# Altium PCB AMDC_uAMDC_Overlay.PcbDoc (part 6 of 6)
Units mil, origin at the board's own origin, x right, y up, seen from the top; angles counter-clockwise.
Board outline 4335 x 5120 mil, 6 copper layers (Top Layer, Int1 (GND), Int2 (Sign), Int3 (Sign), Int4 (PWR), Bottom Layer), stack 55.468 mil thick; 396 components, 471 nets, 2094 pads, 683 vias.
Unrouted connection lines stored in the file: 618.
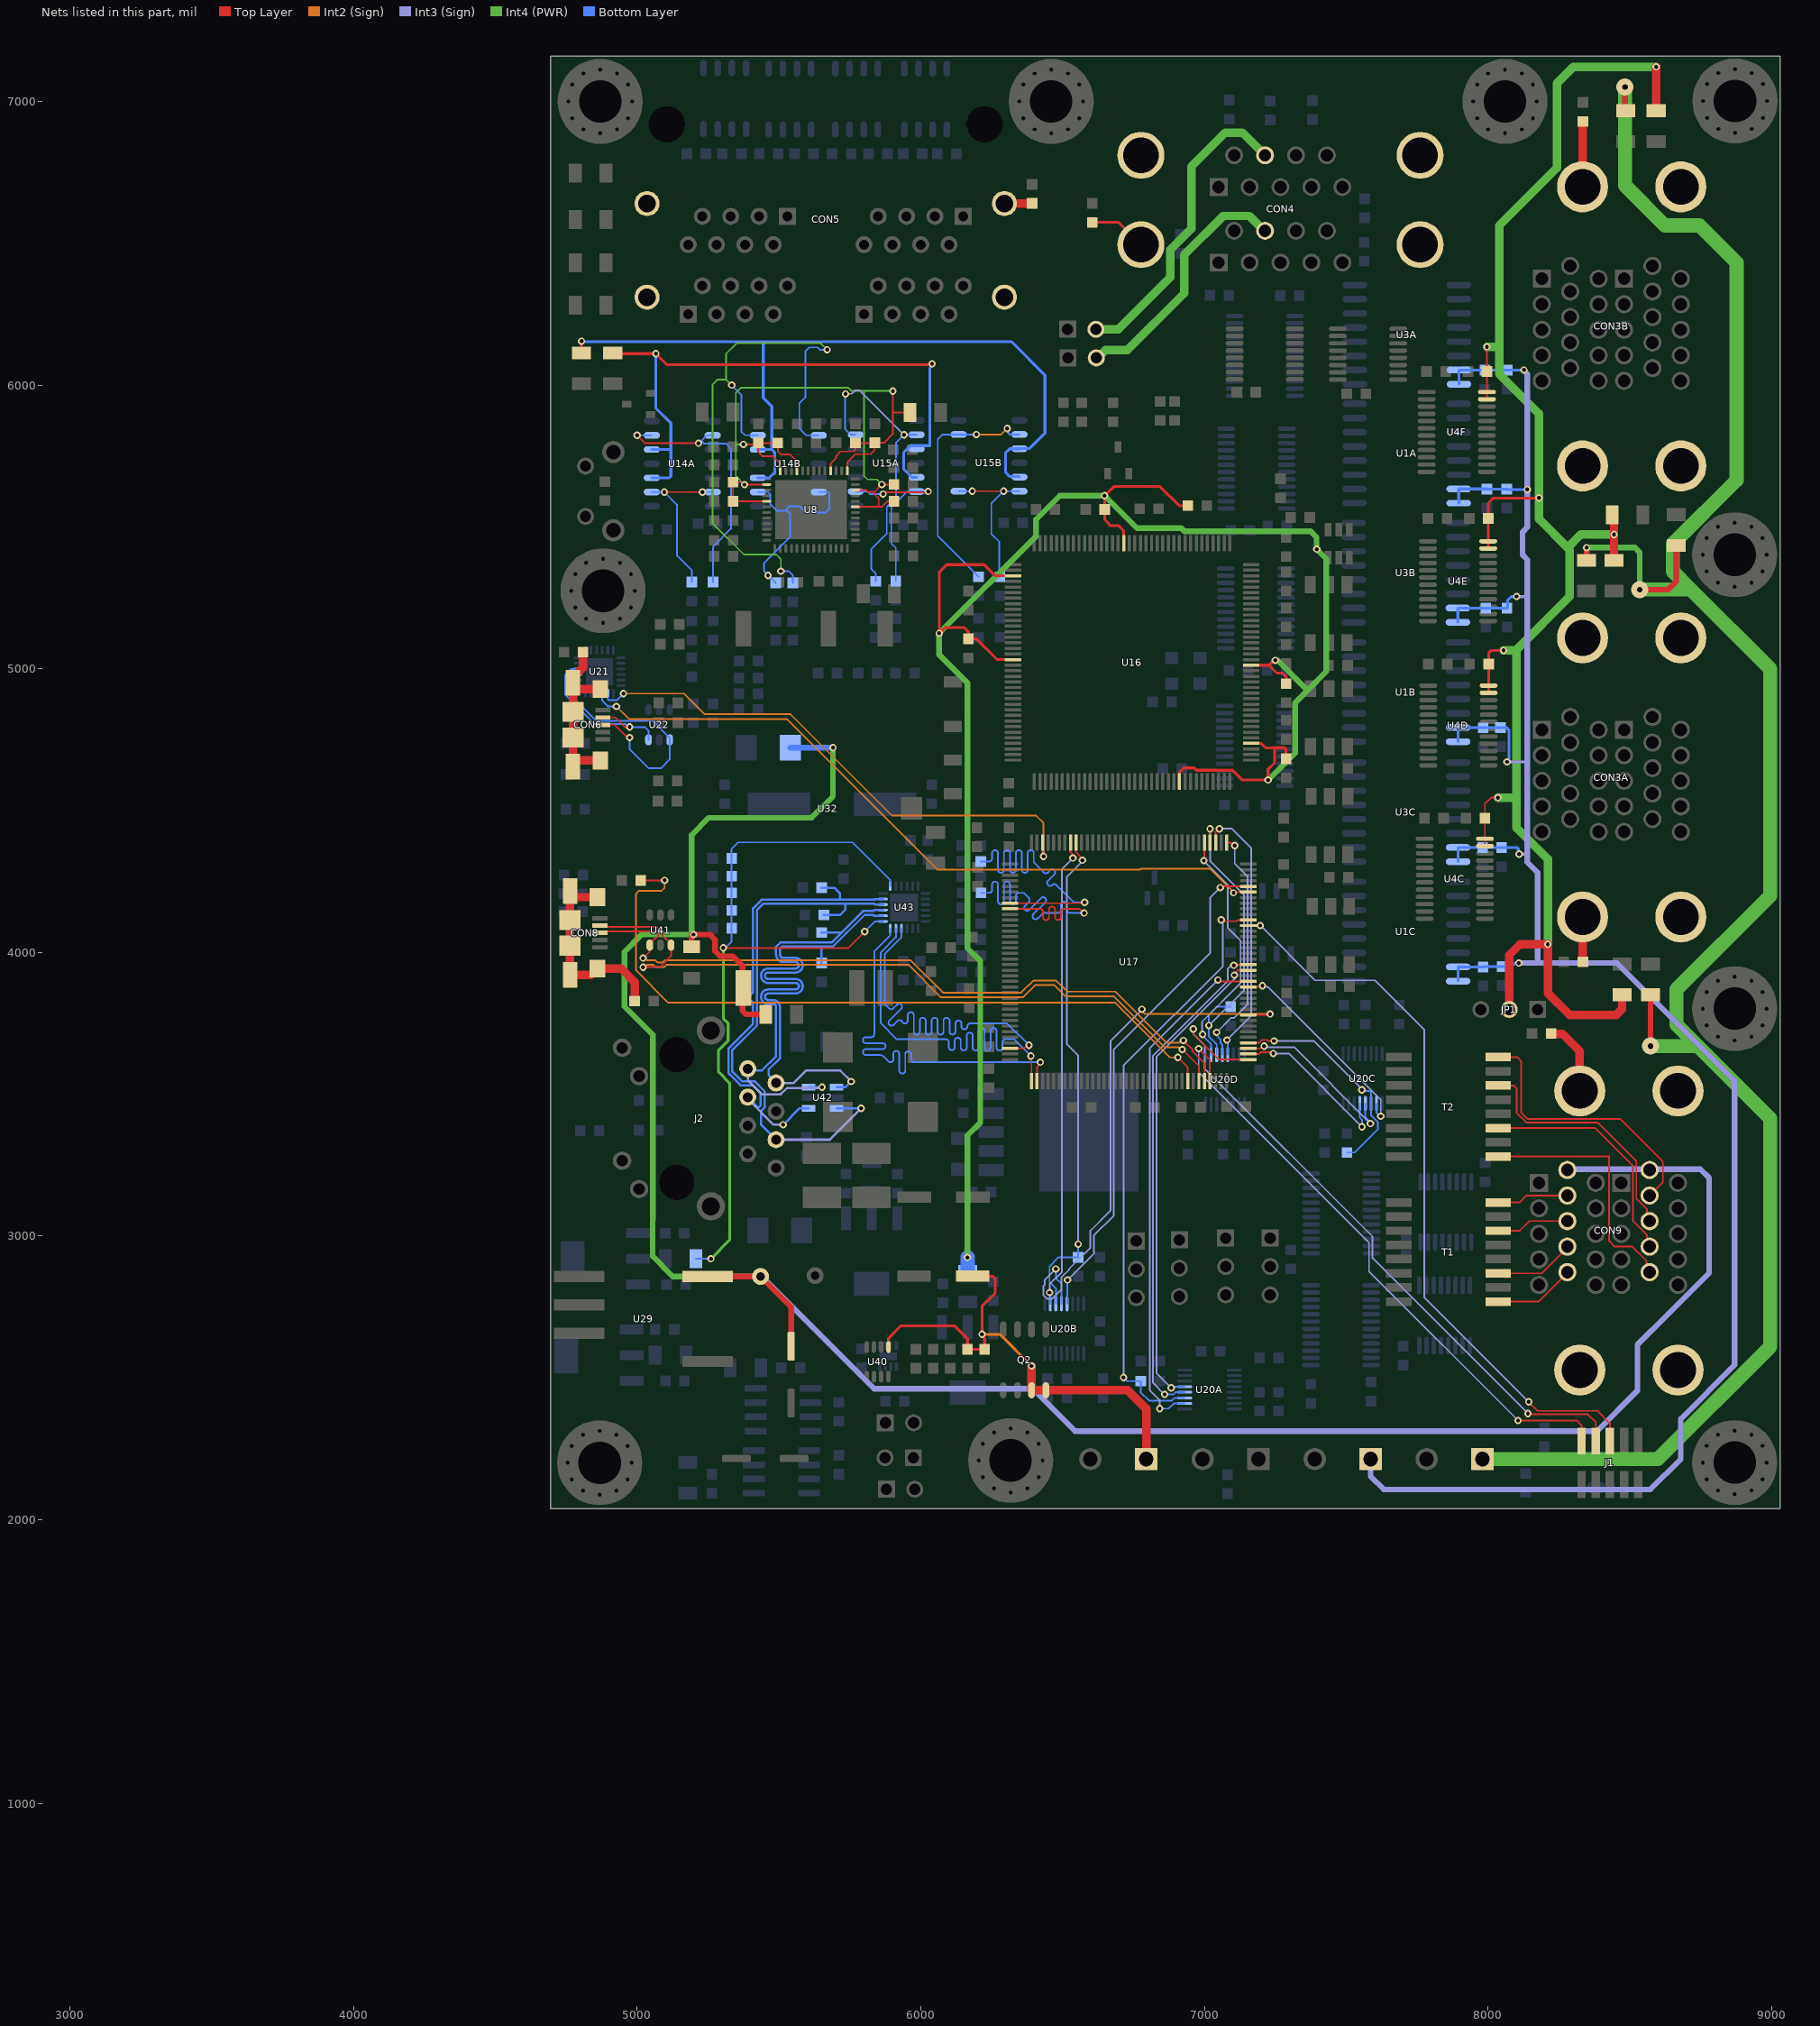
[diagram p9: the nets of this part, all layers, seen from the top]

## Via types
v1: diameter 26, hole 14, Top Layer to Bottom Layer, tented both sides, 326 vias
v2: diameter 26, hole 14, Top Layer to Bottom Layer, 288 vias
v3: diameter 24, hole 14, Top Layer to Bottom Layer, 57 vias
v4: diameter 24, hole 14, Top Layer to Bottom Layer, tented both sides, 5 vias
v5: diameter 19.68, hole 7.87, Top Layer to Bottom Layer, 4 vias
v6: diameter 60, hole 20, Top Layer to Bottom Layer, tented both sides, 3 vias

## Nets (pads, with @x,y where several pads share a name; then routed paths per layer and width w, separated by ;. In a path a pad name is that pad's centre, name@x,y a point inside that pad or via, vN(x,y) a via of type N, cw(c..) or ccw(c..) an arc to the next point about the centre after c; other vN are vias at no path point) (continued)
RMII_RXD0: R91.2 U17.44 | length 1263.4
  Top Layer w6: U17.44@6314.71,4173.61 6574.61,4173.61 v2(6577.81,4176.81)
  Bottom Layer w6: R91.2@6211.46,4320.75 6238,4320.75 6241,4320.75 ccw(c6241,4331.25) 6251.5,4331.25 6251.5,4350.25 cw(c6262,4350.25) 6272.5,4350.25 6272.5,4291.25 ccw(c6283,4291.25) 6293.5,4291.25 6293.5,4350.25 cw(c6304,4350.25) 6314.5,4350.25 6314.5,4291.25 ccw(c6325,4291.25) 6335.5,4291.25 6335.5,4350.25 cw(c6346,4350.25) 6356.5,4350.25 6356.5,4291.25 ccw(c6367,4291.25) 6377.5,4291.25 6377.5,4350.25 cw(c6388,4350.25) 6398.5,4350.25 6398.5,4321.85 ccw(c6409,4321.85) 6401.58,4314.42 6431.55,4284.45 6433.67,4282.33 ccw(c6441.09,4289.76) 6448.52,4282.33 6456.36,4290.18 cw(c6463.78,4282.75) 6471.21,4290.18 cw(c6463.78,4282.75) 6471.21,4275.33 6448.52,4252.63 ccw(c6455.94,4245.21) 6448.52,4237.78 ccw(c6455.94,4245.21) 6463.36,4237.78 cw(c6470.79,4230.36) 6478.21,4237.79 6503,4213 6539.19,4176.81 v2(6577.81,4176.81)
RMII_RXD1: R92.2 U17.45 | length 1341.2
  Top Layer w6: U17.45@6314.71,4153.93 6396.78,4153.93 6420.78,4153.93 cw(c6420.78,4143.43) 6431.28,4143.43 6431.28,4124.43 ccw(c6441.78,4124.43) 6452.28,4124.43 6452.28,4151.11 cw(c6462.78,4151.11) 6473.28,4151.11 6473.28,4125.2 ccw(c6483.78,4125.2) 6494.28,4125.2 6494.28,4143.43 cw(c6504.78,4143.43) 6504.78,4153.93 6559.62,4153.93 6574.38,4139.17 v2(6575.98,4139.17)
  Bottom Layer w6: R92.2@6212.59,4210 6238,4210 6241,4210 ccw(c6241,4220.5) 6251.5,4220.5 6251.5,4239.5 cw(c6262,4239.5) 6272.5,4239.5 6272.5,4180.5 ccw(c6283,4180.5) 6293.5,4180.5 6293.5,4239.5 cw(c6304,4239.5) 6314.5,4239.5 6314.5,4180.5 ccw(c6325,4180.5) 6335.5,4180.5 6335.5,4199.5 cw(c6346,4199.5) 6346,4210 6364.02,4210 6380.99,4193.03 cw(c6373.56,4185.6) 6380.99,4178.18 6367.55,4164.74 ccw(c6374.98,4157.32) 6367.55,4149.9 ccw(c6374.98,4157.32) 6382.4,4149.9 6424.12,4191.61 cw(c6431.55,4184.19) 6438.97,4191.62 cw(c6431.55,4184.19) 6438.97,4176.77 6397.25,4135.05 ccw(c6404.68,4127.62) 6397.25,4120.2 ccw(c6404.68,4127.62) 6412.1,4120.2 6428,4136.1 cw(c6435.42,4128.67) 6435.42,4139.17 6478.18,4139.17 6481,4139.17 6484,4139.17 ccw(c6484,4149.67) 6494.5,4149.67 6494.5,4168.67 cw(c6505,4168.67) 6515.5,4168.67 6515.5,4149.67 ccw(c6526,4149.67) 6526,4139.17 6559.64,4139.17 v2(6575.98,4139.17)
RMII_TX_EN: U17.70 U43.16 | length 1546.8
  Top Layer w6: U17.70@6314.71,3661.8 6365.34,3661.8 6371.95,3668.41 6377.36,3668.41 v2(6381.77,3672.82)
  Bottom Layer w6: U43.16@5932.16,4084.2 5932.16,4053.88 5873,3994.72 5873,3818 5888.08,3802.92 ccw(c5895.51,3810.34) 5902.93,3802.92 5916.37,3816.35 cw(c5923.79,3808.93) 5931.21,3816.35 cw(c5923.79,3808.93) 5931.21,3801.51 5889.5,3759.79 ccw(c5896.92,3752.36) 5889.5,3744.94 ccw(c5896.92,3752.36) 5904.34,3744.94 5917.78,3758.37 cw(c5925.2,3750.95) 5932.63,3758.37 5934.75,3756.25 5941,3750 5944,3750 ccw(c5944,3760.5) 5954.5,3760.5 5954.5,3779.5 cw(c5965,3779.5) 5975.5,3779.5 5975.5,3720.5 ccw(c5986,3720.5) 5996.5,3720.5 5996.5,3759.5 cw(c6007,3759.5) 6017.5,3759.5 6017.5,3720.5 ccw(c6028,3720.5) 6038.5,3720.5 6038.5,3759.5 cw(c6049,3759.5) 6059.5,3759.5 6059.5,3720.5 ccw(c6070,3720.5) 6080.5,3720.5 6080.5,3759.5 cw(c6091,3759.5) 6101.5,3759.5 6101.5,3721.13 ccw(c6112,3721.13) 6122.5,3721.13 6122.5,3750 cw(c6133,3750) 6143.5,3750 6143.5,3739.5 ccw(c6154,3739.5) 6164.5,3739.5 cw(c6175,3739.5) 6175,3750 6211.46,3750 6304.59,3750 v2(6381.77,3672.82)
RMII_TXD0: U17.73 U43.17 | length 1545.9
  Top Layer w6: v2(6388.48,3635) 6390.3,3633.18 U17.73@6390.3,3546.84
  Bottom Layer w6: U43.17@5912.47,4084.2 5912.47,4053.88 5859,4000.41 5859,3751 5916,3694 5924.5,3694 6088.59,3694 cw(c6088.59,3683.5) 6099.09,3683.5 6099.09,3666.19 ccw(c6109.59,3666.19) 6120.09,3666.19 6120.09,3688.72 cw(c6130.59,3688.72) 6141.09,3688.72 6141.09,3664.5 ccw(c6151.59,3664.5) 6162.09,3664.5 6162.09,3707.1 cw(c6172.59,3707.1) 6183.09,3707.1 6183.09,3664.5 ccw(c6193.59,3664.5) 6204.09,3664.5 6204.09,3723.5 cw(c6214.59,3723.5) 6225.09,3723.5 6225.09,3664.5 ccw(c6235.59,3664.5) 6246.09,3664.5 6246.09,3723.5 cw(c6256.59,3723.5) 6267.09,3723.5 6267.09,3664.5 ccw(c6277.59,3664.5) 6288.09,3664.5 6288.09,3683.5 cw(c6298.59,3683.5) 6298.59,3694 6301.59,3694 6329.48,3694 v2(6388.48,3635)
RMII_TXD1: U17.74 U43.18 | length 1545.9
  Top Layer w6: U17.74@6409.98,3546.84 6409.98,3595.73 6421.84,3607.59 v2(6421.84,3613)
  Bottom Layer w6: U43.18@5892.79,4084.2 5892.79,4060.79 5836,4004 5836,3742 5836,3711.75 cw(c5825.5,3711.75) 5825.5,3701.25 5806.5,3701.25 ccw(c5806.5,3690.75) 5806.5,3680.25 5865.5,3680.25 cw(c5865.5,3669.75) 5865.5,3659.25 5806.5,3659.25 ccw(c5806.5,3648.75) 5806.5,3638.25 5857.32,3638.25 cw(c5857.32,3620.33) 5870,3633 5873,3630 5890,3613 5893,3613 ccw(c5893,3623.5) 5903.5,3623.5 5903.5,3642.5 cw(c5914,3642.5) 5924.5,3642.5 5924.5,3583.5 ccw(c5935,3583.5) 5945.5,3583.5 5945.5,3641.22 cw(c5956,3641.22) 5966.5,3641.22 5966.5,3623.5 ccw(c5977,3623.5) 5977,3613 6036,3613 v2(6421.84,3613)
RX_N: J2.6 R84.1 U42.6 U43.22 | length 1937
  Int3 (Sign) w8: J2.6@5490,3340 5679.4,3340 v2(5790,3450.6)
  Bottom Layer w8: J2.6@5490,3340 5437.11,3392.89 5437.11,3441.31 5450,3454.2 5450,3509.2 5413.2,3546 5369.8,3546 5335.9,3579.9 5335.9,3655.9 5423,3743 5423,4150 5444.69,4171.69 5734,4171.69 ; R84.1@5658.34,4132.31 5715.17,4132.31 5734,4151.15 5734,4171.69 ; U42.6@5703.21,3450.6 v2(5790,3450.6) ; U43.22@5867.2,4168.84 5838.84,4168.84 5836,4171.69 5734,4171.69
RX_P: J2.3 R86.1 U42.1 U43.23 | length 1783.8
  Int3 (Sign) w8: J2.3@5390,3490 5390,3479 5394.43,3479 5480.54,3392.89 v2(5515,3392.89)
  Bottom Layer w8: J2.3@5390,3490 5424.69,3455.31 5431.31,3455.31 5436,3460 5436,3503.4 5407.4,3532 5364,3532 5326,3570 5321.9,3574.1 5321.9,3661.7 5409,3748.8 5409,3814 5409,3818 ccw(c5397.5,3818) 5397.5,3829.5 5378.44,3829.5 cw(c5378.44,3841) 5378.44,3852.5 5397.5,3852.5 ccw(c5397.5,3864) 5409,3864 5409,3898 5409,4155.8 5438.89,4185.69 5715.17,4185.69 ; v2(5515,3392.89) 5572.71,3450.6 U42.1@5604.79,3450.6 ; R86.1@5650.46,4228 5695.38,4228 5715.17,4208.21 5715.17,4185.69 ; U43.23@5867.2,4188.53 5838.84,4188.53 5836,4185.69 5715.17,4185.69
SH_AGND: CON5.SH1 CON5.SH2 CON5.SH3 CON5.SH4 R33.2 | length 97.5
  Top Layer w30: CON5.SH2@6295.27,6640.27 R33.2@6392.73,6640.27
SH_ENC: CON4.SH1 CON4.SH2 CON4.SH3 CON4.SH4 R16.1 | length 188.2
  Top Layer w10: R16.1@6620.75,6573.54 6697.96,6573.54 CON4.SH4@6776.46,6495.04
SH_GND_INV_1: CON3A.SH1 CON3A.SH2 CON3A.SH3 CON3A.SH4 R1A.1 | length 158.4
  Top Layer w30: CON3A.SH3@8333.54,4125 8334,4124.54 8334,3967.46 R1A.1@8334.46,3967
SH_GND_INV_2: CON3B.SH1 CON3B.SH2 CON3B.SH3 CON3B.SH4 R1B.1 | length 231.1
  Top Layer w30: CON3B.SH4@8333.54,6699 8334.27,6699.73 8334.27,6928.81 R1B.1@8335,6929.54
SH_SPI: CON9.SH1 CON9.SH2 CON9.SH3 CON9.SH4 R107.2 | length 267
  Top Layer w30: R107.2@8222.46,3714 8223.22,3713.25 8262.75,3713.25 8323.54,3652.46 CON9.SH4@8323.54,3512
SH_USB: CON8.SH R83.1 | length 723.4
  Top Layer w30: CON8.SH@4763.54,4216.62 CON8.SH@4763.54,4215.56 ; CON8.SH@4860,4194.97 4784.13,4194.97 CON8.SH@4763.54,4215.56 ; R83.1@4991.54,3829 4991.54,3895.46 4944,3943 CON8.SH@4860,3943 4838.35,3921.35 CON8.SH@4763.54,3921.35 CON8.SH@4763.54,4023.71 CON8.SH@4763.54,4114.26 CON8.SH@4763.54,4215.56
SH_USBUART: CON6.SH R52.1 | length 893.2
  Top Layer w30: R52.1@4809.46,5059 4809.46,5005.51 4774,4970.05 CON6.SH@4774,4939.3 ; CON6.SH@4870.46,4676.74 4784.59,4676.74 4774,4666.15 CON6.SH@4774,4655.09 CON6.SH@4774,4676.74 ; CON6.SH@4870.46,4928.71 4784.59,4928.71 CON6.SH@4774,4939.3 ; CON6.SH@4774,4676.74 CON6.SH@4774,4757.45 ; CON6.SH@4774,4676.74 CON6.SH@4774,4757.45 ; CON6.SH@4774,4757.45 CON6.SH@4774,4848 ; CON6.SH@4774,4757.45 CON6.SH@4774,4848 ; CON6.SH@4774,4757.45 CON6.SH@4774,4848 ; CON6.SH@4774,4848 CON6.SH@4774,4939.3
SPI1_IM: CON9.8A T1.14 | length 258.1
  Top Layer w6: T1.14@8036,3019 8112,3019 8146,3053 CON9.8A@8280,3053
SPI1_IP: CON9.7A T1.16 | length 253.9
  Top Layer w6: T1.16@8036,3119 8112,3119 8136,3143 CON9.7A@8280,3143
SPI1_MISO: R47A.1 U17.134 U20A.3 | length 2136
  Top Layer w6: v2(7059.59,4114.56) 7065,4114.56 7069.63,4109.93 7113.19,4109.93 7117.82,4114.56 U17.134@7154.87,4114.56
  Int3 (Sign) w6: v1(6715,2502) 6715,3600.9 7065.15,3951.05 7065.15,4109 v2(7059.59,4114.56)
  Bottom Layer w6: v1(6715,2502) 6728,2489 R47A.1@6775.54,2489 6775.54,2449.63 6805.17,2420 6885.28,2420 6894.28,2429 6896.08,2429 6897.03,2429.94 U20A.3@6930.8,2429.94
SPI1_MOSI: U17.123 U20A.2 | length 1830.1
  Top Layer w6: v2(7048.08,3902.86) 7053.49,3902.86 7058.33,3898.02 U17.123@7154.87,3898.02
  Int3 (Sign) w6: v2(6842.46,2392) 6842.46,2422.03 6807,2457.49 6807,3661.79 v2(7048.08,3902.86)
  Bottom Layer w6: v2(6842.46,2392) 6874.25,2392 6892.51,2410.26 U20A.2@6930.8,2410.26
SPI1_NSS: U17.125 U20A.5 | length 1699.4
  Top Layer w6: v2(7106,3920.02) 7106,3925.44 7117.71,3937.15 7117.71,3937.29 7117.82,3937.39 U17.125@7154.87,3937.39
  Int3 (Sign) w6: v2(6883.02,2465) 6882.87,2465 6831,2516.87 6831,3630.95 7106,3905.95 v2(7106,3920.02)
  Bottom Layer w6: v2(6883.02,2465) 6886.57,2468.55 6930.04,2468.55 U20A.5@6930.8,2469.32
SPI1_SCLK: U17.126 U20A.4 | length 1780.5
  Top Layer w6: v2(7104.08,3954.76) 7106.39,3957.08 U17.126@7154.87,3957.08
  Int3 (Sign) w6: v2(6860,2442) 6819,2483 6819,3635.92 7082.08,3898.99 7082.08,3941.77 7097.09,3956.78 7099.11,3954.76 v2(7104.08,3954.76)
  Bottom Layer w6: v2(6860,2442) 6891.14,2442 6898.77,2449.63 U20A.4@6930.8,2449.63
SPI2_IM: CON9.10A T1.9 | length 288.8
  Top Layer w6: T1.9@8036,2769 8178.98,2769 8280,2870.02 CON9.10A@8280,2873
SPI2_IP: CON9.9A T1.11 | length 284.7
  Top Layer w6: T1.11@8036,2869 8188.98,2869 8280,2960.02 CON9.9A@8280,2963
SPI2_MISO: R47B.1 U17.28 U20B.3 | length 1765.3
  Top Layer w6: U17.28@6547.78,4387 6547.93,4386.84 6547.93,4352.79 6570,4330.72 v2(6570,4325)
  Int3 (Sign) w6: v2(6555.21,2971.5) 6555.21,3636.95 6515.5,3676.66 6515.5,4266.7 6570,4321.2 v2(6570,4325)
  Bottom Layer w6: U20B.3@6476.47,2761.6 6476.47,2815.83 6454,2838.3 6454,2893.24 6486.23,2925.46 R47B.1@6555.21,2925.46 v2(6555.21,2971.5)
SPI2_MOSI: U17.29 U20B.2 | length 1666.7
  Top Layer w6: U17.29@6528.09,4387 6528.39,4386.7 6528.39,4352.93 6539.95,4341.37 6536.58,4338 v2(6536.58,4333.03)
  Int3 (Sign) w6: v2(6454.47,2801.33) 6454.47,2830.39 6498,2873.91 6498,4294.46 v2(6536.58,4333.03)
  Bottom Layer w6: v2(6454.47,2801.33) 6456.02,2799.78 6456.02,2762.36 U20B.2@6456.79,2761.6
SPI2_NSS: U17.140 U20B.5 | length 1791.6
  Top Layer w6: v2(7056.3,4228.65) 7061.71,4228.65 7065.74,4232.67 U17.140@7154.87,4232.67
  Int3 (Sign) w6: v1(6517.51,2845.34) 6610,2937.83 6610,3001.78 6681,3072.78 6681,3658.37 7021.15,3998.52 7021.15,4194.23 7055.57,4228.65 v2(7056.3,4228.65)
  Bottom Layer w6: U20B.5@6515.84,2761.6 6516.61,2762.36 6516.61,2844.44 v1(6517.51,2845.34)
SPI2_SCLK: U17.117 U20B.4 | length 1968.8
  Top Layer w6: U17.117@7154.87,3779.91 7228.91,3779.91 v1(7232,3783)
  Int2 (Sign) w6: v2(6779.59,3799.59) 6779.59,3794.96 6791.55,3783 v1(7232,3783)
  Int3 (Sign) w6: v1(6476,2884.13) 6437.72,2845.84 6437.72,2829.3 6432.47,2824.06 6432.47,2792.22 6445.36,2779.33 6463.59,2779.33 6495.51,2811.26 6495.51,2854.46 6523.13,2882.07 6523.13,2884.13 6598,2959 6598,3018.99 6669,3089.99 6669,3688 6779.59,3798.59 v2(6779.59,3799.59)
  Bottom Layer w6: v1(6476,2884.13) 6476.47,2883.65 6476.47,2851.21 6496.16,2831.53 U20B.4@6496.16,2761.6
SPI3_IM: CON9.8B T2.14 | length 878.4
  Top Layer w6: T2.14@8036,3531 8091,3531 8101,3521 8101,3435 8135,3401 8386,3401 8523,3264 8523,3132.02 8561.02,3094 8561.02,3061.98 CON9.8B@8570,3053
SPI3_IP: CON9.7B T2.16 | length 978.9
  Top Layer w6: T2.16@8036,3631 8103,3631 8117,3617 8117,3435.97 8139.97,3413 8467,3413 8617,3263 8617,3190 CON9.7B@8570,3143
SPI3_MISO: R47C.1 U17.112 U20C.3 | length 800.3
  Top Layer w6: U17.112@7154.87,3681.49 7191.5,3681.49 7201.89,3691.87 7220.11,3691.87 7223.99,3688 v2(7246,3688)
  Int3 (Sign) w6: v2(7246,3688) 7386.98,3688 7555.42,3519.55 v1@7555.42,3515.46
  Bottom Layer w6: R47C.1@7502.74,3294.66 7529.93,3294.66 7612.05,3376.79 7612.05,3401.44 7587.53,3425.97 U20C.3@7587.53,3467.68 7587.53,3508.12 7584.01,3511.64 7559.25,3511.64 v1(7555.45,3515.44)
SPI3_MOSI: U17.122 U20C.2 | length 745.8
  Top Layer w6: U17.122@7154.87,3878.34 7195.27,3878.34 7199.59,3882.65 v2(7205,3882.65)
  Int3 (Sign) w6: v2(7205,3882.65) 7208.65,3879 7223,3879 7622,3480 v2(7622,3422.61)
  Bottom Layer w6: U20C.2@7607.21,3467.68 7607.21,3434.79 7619.39,3422.61 v2(7622,3422.61)
SPI3_NSS: U17.110 U20C.5 | length 597.2
  Top Layer w6: U17.110@7154.87,3642.12 7192.86,3642.12 7198.62,3647.87 7210.68,3647.87 7210.83,3647.72 7239.28,3647.72 v2(7243,3644)
  Int3 (Sign) w6: v2(7243,3644) 7297.24,3644 v1(7555.65,3385.59)
  Bottom Layer w6: U20C.5@7548.16,3467.68 7548.16,3418.19 7555.83,3410.51 7555.83,3385.78 v1(7555.65,3385.59)
SPI3_SCLK: U17.111 U20C.4 | length 625.6
  Top Layer w6: U17.111@7154.87,3661.8 7197.52,3661.8 7205.59,3669.87 v2(7211,3669.87)
  Int3 (Sign) w6: v2(7211,3669.87) 7214.87,3666 7316.38,3666 v1(7585.64,3396.74)
  Bottom Layer w6: U20C.4@7567.84,3467.68 7567.84,3418.31 7585.64,3400.51 v1(7585.64,3396.74)
SPI4_IM: CON9.10B T2.9 | length 894.8
  Top Layer w6: T2.9@8036,3281 8427.37,3281 8427.37,2982.63 8447,2963 8509,2963 8558.9,2913.1 8558.9,2884.1 CON9.10B@8570,2873
SPI4_IP: CON9.9B T2.11 | length 839.7
  Top Layer w6: T2.11@8036,3381 8378,3381 8510.8,3248.2 8510.8,3223.92 8511,3223.73 8511,3152.27 8510.8,3152.08 8510.8,3102 cw(c8470,3098) 8510.8,3094 8510.8,3054.21 8561.02,3004 8561.02,2971.98 CON9.9B@8570,2963
SPI4_MISO: R47D.1 U17.4 U20D.3 | length 1085.1
  Top Layer w6: U17.4@7020.22,4387 v2(7020.22,4436)
  Int3 (Sign) w6: v1(7015.94,3742.41) 7140,3866.47 7140,4202.83 7020.22,4322.61 v2(7020.22,4436)
  Bottom Layer w6: U20D.3@7043.47,3639.6 7043.47,3675.9 7015.94,3703.43 v1(7015.94,3742.41) 7015.94,3781.38 7043.15,3808.59 R47D.1@7092.94,3808.59
SPI4_MOSI: U17.5 U20D.2 | length 871.9
  Top Layer w6: v2(6998.22,4323.72) 6999.38,4324.88 6999.38,4385.84 U17.5@7000.54,4387
  Int3 (Sign) w6: v2(6993.94,3711.17) 6991.97,3713.15 6991.97,3755.52 7128,3891.55 7128,4041.65 7082.08,4087.57 7082.08,4238.14 7000.54,4319.68 7000.54,4321.41 v2(6998.22,4323.72)
  Bottom Layer w6: v2(6993.94,3711.17) 6993.94,3706.2 6993.69,3705.95 7023.79,3675.86 U20D.2@7023.79,3639.6
SPI4_NSS: U17.3 U20D.5 | length 962.3
  Top Layer w6: U17.3@7039.91,4387 7039.91,4425.65 7050.25,4436 v1(7053.1,4436)
  Int3 (Sign) w6: v1(7053.1,4436) 7054.1,4437 7096.4,4437 7165,4368.4 7165,3776.66 v2(7079.68,3691.34)
  Bottom Layer w6: v2(7079.68,3691.34) 7082.08,3688.94 7082.08,3640.36 U20D.5@7082.84,3639.6
SPI4_SCLK: U17.1 U20D.4 | length 848.5
  Top Layer w6: U17.1@7079.28,4387 7093.79,4387 7103.79,4377 v1(7107,4377)
  Int3 (Sign) w6: v1(7043.15,3718.26) 7094.53,3769.64 7105.45,3769.64 7153,3817.19 7153,4267.21 7107,4313.21 v1(7107,4377)
  Bottom Layer w6: v1(7043.15,3718.26) 7043.15,3707.34 7056.7,3693.79 7056.7,3681.63 7063.16,3675.17 U20D.4@7063.16,3639.6
SWCLK: J1.4 U17.109 | length 2410.5
  Top Layer w6: v2(6961.17,3730) 6961.17,3712.83 7051.57,3622.43 U17.109@7154.87,3622.43 ; v2(8141,2374.48) 8143.48,2372 8352.22,2372 8380,2344.22 J1.4@8380,2277.77
  Int3 (Sign) w6: v2(6961.17,3730) 6962.14,3729.03 6962.14,3711.86 7002,3672 7002,3589.21 7592.88,2998.33 7592.88,2922.6 v2(8141,2374.48)
SWDIO: J1.2 U17.105 | length 2195
  Top Layer w6: v2(6980,3660.94) 7018.95,3622 7018.95,3548.12 U17.105@7020.22,3546.84 ; v2(8106,2350) 8314,2350 8330,2334 J1.2@8330,2277.77
  Int3 (Sign) w6: v2(6980,3660.94) 6980,3577.59 7580.88,2976.71 7580.88,2875.12 v2(8106,2350)
SWO: J1.6 U17.133 | length 2617
  Top Layer w6: U17.133@7154.87,4094.87 U17.133@7154.87,4094.87 7196.94,4094.94 v2(7197,4095) ; v2@8143.48,2415 8174.48,2384 8386,2384 8430,2340 J1.6@8430,2277.77
  Int3 (Sign) w6: v2(7197,4095) 7390.02,3901.98 7601.02,3901.98 7775,3728 7775,2784.66 8124.16,2435.5 v2(8143.89,2415.77)
TX_N: J2.2 R85.1 U42.4 U43.20 | length 1784.2
  Int3 (Sign) w8: J2.2@5490,3540 5551.98,3540 5595.48,3583.5 5716.59,3583.5 v2(5755,3545.09)
  Bottom Layer w8: J2.2@5490,3540 5490,3540.77 5464,3566.77 5464,3588.19 5504,3628.19 5504,3655.9 5504,3807 ccw(c5478.5,3807) 5478.5,3832.5 5462.5,3832.5 cw(c5462.5,3844) 5462.5,3855.5 5558.5,3855.5 ccw(c5558.5,3881) 5558.5,3906.5 5462.5,3906.5 cw(c5462.5,3918) 5462.5,3929.5 5558.5,3929.5 ccw(c5558.5,3955) 5558.5,3980.5 5515.5,3980.5 cw(c5515.5,3992) 5504,3992 5504,4003 5504,4014 5511,4021 5650.46,4021 ; R85.1@5650.46,3962.96 5650.46,4021 ; U42.4@5703.21,3525.4 5735.31,3525.4 v2(5755,3545.09) ; U43.20@5867.2,4129.47 5836,4129.47 5833.16,4132.31 5802.31,4132.31 5691,4021 5650.46,4021
TX_P: J2.1 R90.1 U42.3 U43.21 | length 1843
  Int3 (Sign) w8: J2.1@5390,3590 5391.4,3588.6 5391.4,3548 5439.4,3500 5506.57,3500 5528.57,3522 5648.6,3522 v1(5652,3525.4)
  Bottom Layer w8: J2.1@5390,3590 5396.07,3583.93 5439.94,3583.93 5490,3633.99 5490,3655.9 5490,3807 ccw(c5478.5,3807) 5478.5,3818.5 5462.5,3818.5 cw(c5462.5,3844) 5462.5,3869.5 5558.5,3869.5 ccw(c5558.5,3881) 5558.5,3892.5 5462.5,3892.5 cw(c5462.5,3918) 5462.5,3943.5 5558.5,3943.5 ccw(c5558.5,3955) 5558.5,3966.5 5515.5,3966.5 cw(c5515.5,3992) 5490,3992 5490,4003 5490,4019.8 5505.2,4035 5685.2,4035 5720.2,4070 ; U42.3@5604.79,3525.4 v1(5652,3525.4) ; R90.1@5650.46,4070 5720.2,4070 ; U43.21@5867.2,4149.16 5836,4149.16 5833.16,4146.31 5796.52,4146.31 5720.2,4070
UART_USB_D_N: CON6.2 U21.4 U22.3 | length 610.1
  Top Layer w6: CON6.2@4879.31,4828.31 4923.47,4828.31 4957.04,4794.75 v1(4973.8,4794.75)
  Bottom Layer w6: U21.4@4791.37,4999.63 4768.18,4999.63 4746.23,4977.67 4746.23,4908.78 4850.25,4804.75 4960.29,4804.75 4970.29,4794.75 5026.95,4794.75 5040.2,4781.49 U22.3@5040.2,4749.57
UART_USB_D_P: CON6.3 U21.3 U22.1 | length 929.2
  Top Layer w6: CON6.3@4879.31,4802.72 4920.56,4802.72 4965.83,4757.45 v1(4973.8,4757.45)
  Bottom Layer w6: U21.3@4791.37,4979.94 4766.2,4979.94 4758.23,4971.97 4758.23,4913.75 4855.22,4816.75 5055.71,4816.75 5115.01,4757.45 5115.01,4680.01 5085,4650 5040,4650 4973.8,4716.2 v1(4973.8,4757.45)
USB_D_N: CON8.2 U17.103 U41.3 | length 2647.5
  Top Layer w6: CON8.2@4868.86,4094.57 4873.65,4089.78 5069.87,4089.78 5090,4069.65 5090,4058.05 5100.48,4047.57 5103.82,4047.57 5119.4,4031.99 U41.3@5119.4,4025.85 5119.4,3987 5080.53,3948.13 v2(5021,3948.13) ; v2(6922,3658) 6980.85,3599.15 U17.103@6980.85,3546.84
  Int2 (Sign) w6: v2(5021,3948.13) 5026.41,3948.13 5034.41,3956.13 5057.66,3956.13 5064.79,3949 5096.27,3949 5103.39,3956.13 5957.72,3956.13 6071.69,3842.16 6360.95,3842.16 6403.76,3884.97 6471.24,3884.97 6510.21,3846 6679.45,3846 6701.19,3824.25 6725.55,3799.89 6859.45,3666 6908.59,3666 6916.59,3658 v2(6922,3658)
USB_D_P: CON8.3 U17.104 U41.1 | length 2567.4
  Top Layer w6: CON8.3@4868.86,4068.98 4873.65,4073.78 5063.24,4073.78 5074,4063.02 5074,4058.05 5063.52,4047.57 5060.18,4047.57 5044.6,4031.99 U41.1@5044.6,4025.85 5043.59,4024.85 5043.59,4001.55 5022.17,3980.13 v2(5021,3980.13) ; v2(6926,3690) 6928,3690 6928,3688 6958,3658 6958,3651.83 7000.54,3609.3 U17.104@7000.54,3546.84
  Int2 (Sign) w6: v2(5021,3980.13) 5026.41,3980.13 5034.41,3972.13 5064.29,3972.13 5071.41,3965 5089.64,3965 5096.77,3972.13 5964.34,3972.13 6078.31,3858.16 6354.32,3858.16 6397.13,3900.97 6477.87,3900.97 6516.84,3862 6686.07,3862 6866.07,3682 6912.59,3682 6920.59,3690 v2(6926,3690)
USB_OTG_FS_VBUS: R46.1 U17.101 | length 2625.6
  Top Layer w6: R46.1@5012.48,4254 v1(5097,4254) ; v2(6906.43,3630.05) 6941.48,3594.99 U17.101@6941.48,3546.84
  Int2 (Sign) w6: v1(5097,4254) 5097,4228 5086.5,4217.5 5006.5,4217.5 4996,4207 4996,3936.89 5109.89,3823 6685.48,3823 6878.43,3630.05 v2(6906.43,3630.05)
USB_UART_RXD: U17.34 U21.20 | length 1924.8
  Top Layer w6: U17.34@6429.67,4387 6429.67,4342.01 v2(6432.9,4338.78)
  Int2 (Sign) w6: v2(4951.8,4912.52) 5165.36,4912.52 5237.89,4840 5541,4840 5898.56,4482.44 6407.11,4482.44 6432.9,4456.65 v2(6432.9,4338.78)
  Bottom Layer w6: U21.20@4896.69,4914 4896.69,4892.77 4900.2,4889.25 4928.53,4889.25 v2(4951.8,4912.52)
USB_UART_TXD: U17.139 U21.21 | length 2590.7
  Top Layer w6: v3(7103.08,4210.05) 7105.35,4212.33 7154.21,4212.33 U17.139@7154.87,4212.98
  Int2 (Sign) w6: v2(4926.78,4867.25) 4971.2,4822.84 5528.16,4822.84 6059.41,4291.59 6773.11,4291.59 6776.25,4294.73 7021.33,4294.73 7103.08,4212.98 v3(7103.08,4210.05)
  Bottom Layer w6: U21.21@4877,4914 4877,4887.13 4896.38,4867.75 4926.29,4867.75 v2(4926.78,4867.25)
V_AA: R35A.2 U14A.2 U14A.13 | length 572.2
  Top Layer w6: v2(5096.01,5623) v1(5230.5,5623)
  Bottom Layer w6: U14A.2@5051.72,5623 v2(5096.01,5623) 5140,5579.01 5140,5400.75 5192.75,5348 R35A.2@5192.75,5305.46 ; v1(5230.5,5623) U14A.13@5266.28,5623
V_AB: R35B.2 U14B.2 U14B.13 | length 735
  Bottom Layer w6: U14B.2@5425.72,5623 5461.49,5623 5470.01,5614.48 5470.01,5579.32 5492.01,5557.32 5527.42,5557.32 ; R35B.2@5488.75,5302.59 5462.36,5328.98 v2(5461.7,5328.98) 5461.7,5330.48 5446.89,5345.29 5446.89,5372 5540,5465.11 5540,5544.74 5527.42,5557.32 ; U14B.13@5640.28,5623 5674.31,5623 5677.83,5619.49 5677.83,5564.38 5664.6,5551.16 5593.32,5551.16 5571.36,5573.12 5537,5573.12 5527.42,5563.53 5527.42,5557.32
V_BA: R36A.2 U14A.6 U14A.9 | length 953.6
  Top Layer w6: v2(5000,5823) 5028,5795 v1(5216.47,5795)
  Bottom Layer w6: v2(5000,5823) U14A.6@5051.72,5823 ; v1(5216.47,5795) 5218.2,5795 5226.66,5803.46 ; U14A.9@5266.28,5823 5246.2,5823 5226.66,5803.46 ; R36A.2@5267.75,5305.46 5268,5305.72 5268,5430.73 5331,5493.73 5331,5775.87 5312.87,5794 5236.11,5794 5226.66,5803.46
V_BB: R36B.2 U14B.6 U14B.9 | length 2141.3
  Int4 (PWR) w6: v1(5333.66,6000) 5313.66,6020 ; v2(5507,5344) 5507,5386.48 5490.65,5402.83 5377.17,5402.83 5266,5514 5266,6001 5285,6020 5313.66,6020 ; v2(5670,6124.51) 5646.98,6147.53 5351.19,6147.53 5313.66,6110 5313.66,6020
  Bottom Layer w6: v1(5333.66,6000) 5333.66,5998.67 5334.99,5998.67 5367.66,5966 5367.66,5835.97 5380.63,5823 U14B.6@5425.72,5823 ; v2(5507,5344) 5535.1,5344 5548.75,5330.35 R36B.2@5548.75,5302.59 ; U14B.9@5640.28,5823 5595.99,5823 5572,5846.99 5572,5935.87 5594,5957.87 5594,6120.11 5606.89,6133 5636.05,6133 5644.54,6124.51 v2(5670,6124.51)
V_CA: R37A.2 U15A.2 U15A.13 | length 1060.4
  Int3 (Sign) w6: v2(5735,5968.87) 5735.36,5969.23 5757,5969.23 5768.77,5981 5784.99,5981 v2(5940.99,5825)
  Bottom Layer w6: v2(5735,5968.87) 5733.17,5967.04 5733.17,5845.81 5753.98,5825 U15A.13@5770.72,5825 ; R37A.2@5841,5308.34 5841,5336.89 5826,5351.89 5826,5422.49 5880.3,5476.79 5880.3,5569.96 5913.43,5603.1 5913.43,5797.44 v2(5940.99,5825) U15A.2@5985.28,5825
V_CB: R37B.2 U15B.2 U15B.13 | length 864.1
  Int2 (Sign) w6: v2(6196,5826) 6284,5826 v2(6305,5847)
  Bottom Layer w6: v2(6196,5826) U15B.13@6133.43,5826 6076.81,5826 6060,5809.19 6060,5468.34 R37B.2@6204,5324.34 ; v2(6305,5847) 6308.83,5843.17 6308.83,5830.85 6313.68,5826 U15B.2@6348,5826
V_DA: R38A.2 U15A.6 U15A.9 | length 681.9
  Top Layer w6: v2(5866.95,5616.05) 5872.78,5621.88 6022.77,5621.88 v1(6026,5625.12)
  Bottom Layer w6: U15A.9@5770.72,5625 5811.84,5625 5820.79,5616.05 v2(5866.95,5616.05) ; R38A.2@5912,5309.34 5912,5426.65 5896.25,5442.4 5896.25,5568.95 5952.36,5625.06 5985.34,5625.06 6025.94,5625.06 v1(6026,5625.12)
V_DB: R38B.2 U15B.6 U15B.9 | length 546.7
  Top Layer w6: v2(6181.9,5626) v2(6292.54,5626)
  Bottom Layer w6: U15B.9@6133.43,5626 v2(6181.9,5626) ; R38B.2@6279,5324.34 6276.83,5326.51 6276.83,5447.88 6249,5475.71 6249,5582.46 v2(6292.54,5626) U15B.6@6348,5626
VDDPS: C7C.1 C7D.1 C7E.1 C7F.1 JP1.2 R3.2 R5.2 R7.2 R9.2 U4C.23 U4C.24 U4D.23 U4D.24 U4E.23 U4E.24 U4F.23 U4F.24 | length 6177
  Top Layer w6: U4C.23@7989.3,4375.16 U4C.24@7989.3,4400.75 C7C.1@7989.3,4473 7989.3,4524.3 8011,4546 v1(8035,4546) ; U4F.23@7996.3,5950.16 U4F.24@7996.3,5975.75 C7F.1@7996.3,6047.98 v1(7996.3,6135)
  Top Layer w10: U4E.23@8001,5424 U4E.24@8001,5449.59 C7E.1@8001,5530.24 8001,5584 8019,5602 v1(8180,5602) ; U4D.23@8002.3,4915.16 U4D.24@8002.3,4940.75 C7D.1@8002.3,5016.83 8002.3,5055 8011.84,5064.54 v1(8055,5064.54)
  Top Layer w30: JP1.2@8075,3799 8075,3991 8113,4029 v2(8211,4029) 8211,3857 8288,3780 8452.45,3780 8473,3800.55 R5.2@8473,3850.61 ; R9.2@8437.87,5543.13 8444.54,5536.46 v2(8444.54,5473.25) R3.2@8444.54,5382.13 ; R7.2@8593,6967.13 v1(8593,7122)
  Int4 (PWR) w30: v1(7996.3,6135) 8040,6135 ; v1(8035,4546) 8100.89,4546 ; v1(8055,5064.54) 8097.54,5064.54 8100.89,5067.89 ; v2(8211,4029) 8211,4329.05 8168.05,4372 8100.89,4439.16 8100.89,4546 ; v2(8444.54,5473.25) 8327.25,5473.25 8281,5427 ; v1(8593,7122) 8301,7122 8243,7064 8243,6765.43 8040,6562.43 8040,6135 ; 8040,6135 8040,6038.98 8180,5898.98 v1(8180,5602) 8180,5528 8281,5427 ; 8100.89,4546 8100.89,5067.89 ; 8100.89,5067.89 8288,5255 8288,5420 8281,5427
VDRIVE: C2A.1 C2B.1 C2C.1 C3A.1 C3B.1 C3C.1 C5A.1 C5B.1 C5C.1 C6A.1 C6B.1 C6C.1 CON2.1 U1A.15 U1A.16 U1B.15 U1B.16 U1C.15 U1C.16 U3A.15 U3A.16 U3B.15 U3B.16 U3C.15 U3C.16 | length 7592.8
  Int3 (Sign) w10: v1(8066.89,4671.78) 8139,4671.78 ; v1(8100.89,5255) 8101.74,5254.15 8139,5254.15 ; v1(8110,4347) 8139,4347
  Int3 (Sign) w20: CON2.1@7586,2214 7586,2153.86 7632.86,2107 8573,2107 8680,2214 8680,2356 8870,2546 8870,3548 8455.29,3962.71 8175,3962.71 ; v2(8109,3962.71) 8175,3962.71 ; v1(8127,6053) 8127,6051.38 8139,6039.38 v1(8139,5632) 8139,5498.83 8122,5481.83 8122,5401.83 8139,5384.83 8139,5254.15 8139,4671.78 8139,4347 8139,4318 8175,4282 8175,3962.71
  Bottom Layer w10: U3B.16@7893.93,5164 U3B.15@7893.93,5214 7991.46,5214 C5B.1@7992,5213.46 C6B.1@8067,5213.46 8069.3,5215.76 8069.3,5241.31 8082.14,5254.15 8100.04,5254.15 v1(8100.89,5255) ; U3C.16@7894.93,4320 U3C.15@7894.93,4370 7980.46,4370 C5A.1@7981,4369.46 C6A.1@8048,4369.46 8104,4369.46 8106.94,4366.53 8106.94,4350.06 v1(8110,4347) ; U1B.16@7894.93,4743 U1B.15@7894.93,4793 7981.46,4793 C2C.1@7983,4791.46 7984,4792.46 C3C.1@8044,4792.46 8044.54,4793 8064.96,4793 8073.7,4784.26 8073.7,4677.64 8067.84,4671.78 v1(8066.89,4671.78) ; U1C.16@7895,3899 U1C.15@7895,3949 C5C.1@7983,3949 7984.34,3950.34 C6C.1@8050,3950.34 8083.38,3950.34 8095.75,3962.71 v2(8109,3962.71) ; U1A.16@7896.93,5584 U1A.15@7896.93,5634 7995.59,5634 C3B.1@7996,5633.59 7996.13,5633.46 C2B.1@8066,5633.46 8066.54,5634 8068.54,5632 v1(8139,5632) ; U3A.16@7897.93,6003 U3A.15@7897.93,6053 7988.46,6053 C3A.1@7989,6052.46 C2A.1@8068,6052.46 8068.54,6053 v1(8127,6053)
VENCODER1: CON4.7T JP6.2 | length 903.3
  Int4 (PWR) w30: JP6.2@6619,6096 6624.24,6096 6651.57,6123.34 6728.57,6123.34 6929.18,6323.94 6929.18,6459.18 7066.35,6596.35 7158.37,6596.35 7210.87,6543.86 CON4.7T@7214.06,6543.86
VENCODER2: CON4.7B JP7.2 | length 1101.6
  Int4 (PWR) w30: JP7.2@6618,6197 6618.13,6197.13 6697.13,6197.13 6880.13,6380.13 6880.13,6477.08 6953.93,6550.87 6953.93,6770.13 7073.93,6890.13 7133.93,6890.13 CON4.7B@7214.06,6810
VIN: C142.1 CON10.1 Q2.7 Q2.8 R78.1 R79.1 U40.1 | length 1714.2
  Top Layer w10: U40.1@5886.39,2609.17 5886.39,2640.16 5930.23,2684 6119.25,2684 6165,2638.25 R78.1@6165,2601.46 R79.1@6225,2601.46 6225,2640.67 6216,2649.67 6216,2752.6 6263,2799.6 6263,2850 6254,2859 C142.1@6183,2859
  Top Layer w30: v2(6391,2542.21) Q2.7@6391,2456.72 Q2.8@6441,2456.72 6729.66,2456.72 6795,2391.38 CON10.1@6795,2214
  Int2 (Sign) w10: v2(6216,2654) 6279.21,2654 v2(6391,2542.21)
VIN2: C117.1 C122.1 C126.2 CON9.6A CON9.6B L1.2 R71.2 U29.4 U32.1 | length 8793.2
  Top Layer w20: C126.2@5192,4020.43 5192,4063.02 5256.91,4063.02 5274.46,4045.47 5274.46,4004.53 5291.99,3987 5337.12,3987 5371.63,3952.49 5371.63,3793.72 5383.35,3782 R71.2@5453.87,3782 ; U29.4@5248.38,2858 L1.2@5435,2858 5543,2750 C117.1@5543,2612
  Int4 (PWR) w20: v1(5199,4063.02) v1@5192,4063.02 ; L1.2@5435,2858 5125.74,2858 5055,2928.74 5055,3057.16 5055.5,3057.66 5055.5,3709.5 4955,3810 4955,4002 5016.02,4063.02 v1@5192,4063.02 ; v2(5690.68,4721.66) 5690.68,4550.68 5615,4475 5253,4475 5192,4414 v1@5192,4063.02 ; CON9.6A@8280,3233 CON9.6A@8283,3236 ; CON9.6B@8567,3236 CON9.6B@8570,3233
  Int3 (Sign) w20: L1.2@5435,2858 5440.15,2858 5836.15,2462 6395,2462 6544,2313 8385,2313 8527,2455 8527,2617.12 8635.44,2725.56 8780,2870.12 8780,3205 8749,3236 8573,3236 CON9.6B@8570,3233 8567,3236 8283,3236 CON9.6A@8280,3233
  Bottom Layer w20: C122.1@5540.07,4721.66 v2(5690.68,4721.66)
VIN_ETH: C150.2 C154.2 C155.2 C156.2 C157.2 R67.1 U43.1 U43.19 | length 2826.1
  Top Layer w6: v2(5304,4016) 5744.94,4016 v1(5802.31,4073.37)
  Int4 (PWR) w10: v1(5260,2920) 5326,2986 5326,3013 5326,3540 5287.07,3578.93 5287.07,3655.07 5321,3689 5321,3750.27 5304,3767.27 v2(5304,4016)
  Bottom Layer w6: R67.1@5207.6,2920 v1(5260,2920) ; v2(5304,4016) 5311.37,4016 5333.34,4037.96 C157.2@5333.34,4085 C156.2@5333.34,4148 C155.2@5333.34,4210 C154.2@5333.34,4269 C150.2@5333.34,4332 5333.34,4366 5355.34,4388 5759.49,4388 5892.79,4254.7 U43.1@5892.79,4233.8 ; v1(5802.31,4073.37) 5838.73,4109.79 U43.19@5867.2,4109.79
VIN_FPGA: C46.1 C53.1 C54.1 C62.1 C63.1 R76.1 U16.27 U16.40 U16.54 U16.92 U16.111 U16.126 | length 7300.2
  Top Layer w10: U16.126@6325,5032.43 6269.76,5032.43 6196.92,5105.26 C62.1@6168,5105.26 6168,5130.85 6153,5145.85 6086.98,5145.85 6066.13,5125 v1(6065,5125) 6065,5340 6092.07,5367.07 6223.88,5367.07 6263.25,5327.7 U16.111@6325,5327.7 ; U16.92@6715.55,5442.66 6715.55,5486.9 6698.45,5504 6670,5504 6648.5,5525.5 C53.1@6648.5,5562.14 v2(6648.5,5610) 6680.83,5642.33 6843.87,5642.33 6911.2,5575 C54.1@6941.54,5575 ; U16.27@6912.4,4602.5 6912.91,4603.02 6912.91,4636.41 6926.67,4650.17 6964.86,4650.17 6972.59,4642.44 7099.07,4642.44 7133.81,4607.7 v1(7225,4607.7) 7225,4645.7 7247.79,4668.49 7247.79,4721.83 ; U16.40@7165.16,4737.15 7165.67,4736.64 7201,4736.64 7216.64,4721 7246.96,4721 7247.79,4721.83 ; U16.54@7165.16,5012.74 7227.97,5012.74 ; v1(7250.3,5029.63) 7244.87,5029.63 7227.97,5012.74 ; C46.1@7288,4682.52 7288,4715.98 7282.14,4721.83 7247.79,4721.83 ; C63.1@7288,4947.78 7288.59,4948.37 7288.59,4971.81 7275.44,4984.96 7255.75,4984.96 7227.97,5012.74
  Int4 (PWR) w20: v1(6165,2925) 6165,3355 6210,3400 6210,3970 6165,4015 6165,4950 6065,5050 v1(6065,5125) 6406.5,5466.5 6406.5,5526.5 6490,5610 v2(6648.5,5610) 6762.5,5496 6919,5496 6930,5485 7375,5485 7395.43,5464.57 7395.43,5422.71 v1(7396.57,5421.57) 7430,5388.14 7430,4990 7363.96,4923.96 ; v1(7225,4607.7) 7320,4702.7 7320,4880 7363.96,4923.96 ; v1(7250.3,5029.63) 7254.8,5029.63 7256.18,5028.26 7259.66,5028.26 7363.96,4923.96
  Bottom Layer w50: R76.1@6165.73,2875.8 v1@6165.73,2925
VIN_PS: CON1.1 R2.2 R4.2 R6.2 R8.2 | length 7618.2
  Top Layer w20: R2.2@8348,5382.13 v2(8348,5427) ; v6(8483,7051) 8483,6970.13 R6.2@8486,6967.13 ; v6(8535,5279) 8634.47,5279 8664,5308.53 R8.2@8664,5434.87 ; v6(8573,3670) R4.2@8573,3850.61
  Int4 (PWR) w20: v2(8348,5427) 8518,5427 8535,5410 8535,5291 8536,5290 8530,5284 v6(8535,5279)
  Int4 (PWR) w50: CON1.1@7980.85,2214 8599,2214 8995,2610 8995,3415 8740,3670 ; v6(8483,7051) 8483,6703.67 8623.67,6563 8746,6563 8877,6432 8877,5664.97 8652.13,5440.1 8652.13,5342.87 8715,5280 ; v6(8535,5279) 8536,5280 8715,5280 ; v6(8573,3670) 8740,3670 ; 8715,5280 8995,5000 8995,4200 8665,3870 8665,3745 8740,3670
VREF: C18.1 C19.1 C23.1 C24.1 C28.1 C29.1 C32.1 C33.1 R34.2 U8.1 U8.4 U8.10 U8.13 U8.16 U8.19 U8.47 U8.50 | length 3070.4
  Top Layer w6: v2(5375,5791) 5422.19,5791 C18.1@5427.09,5795.89 ; v2(5378.53,5649) 5374.77,5649 5365.77,5658 C32.1@5338.46,5658 C33.1@5338.46,5590.53 U8.19@5456.5,5590.53 ; v2@5378.53,5649.37 5378.63,5649.48 5456.4,5649.48 U8.16@5456.5,5649.58 ; U8.13@5504.73,5697.81 5504.73,5723.27 5478.21,5749.79 5441.14,5749.79 5427.09,5763.85 C18.1@5427.09,5795.89 ; U8.10@5563.79,5697.81 5563.79,5731.33 5538.97,5756.14 5507.22,5756.14 5496,5767.36 C19.1@5496,5795.89 C18.1@5427.09,5795.89 ; U8.4@5681.9,5697.81 5681.9,5723.56 5702,5743.66 5702,5750.67 5717.33,5766 5763.02,5766 5769.5,5772.48 C23.1@5769.5,5795.89 5837.23,5795.89 5837.23,5770.8 5822.68,5756.25 5769.81,5756.25 5740.95,5727.4 U8.1@5740.95,5697.81 ; U8.47@5769.5,5570.84 5851.78,5570.84 ; U8.50@5769.5,5629.9 5806.94,5629.9 5813.57,5623.27 5836.62,5623.27 ; C29.1@5838,5796.66 5870.71,5796.66 5901.62,5827.57 5901.62,5903.37 ; v2(5901.62,5979.17) 5901.62,5903.37 ; C28.1@5905.87,5590.53 5905.78,5590.62 5883.2,5590.62 5863.43,5570.84 5851.78,5570.84 ; C24.1@5905.87,5649.58 5905.8,5649.5 v2(5862.86,5649.5) 5836.62,5623.27 ; R34.2@5961.87,5904 5902.25,5904 5901.62,5903.37 ; 5836.62,5623.27 5836.62,5615.26 5851.78,5600.11 5851.78,5570.84
  Int4 (PWR) w6: v2(5375,5791) 5348,5791 ; v2(5378.53,5649) 5348,5679.53 5348,5791 ; v2(5862.86,5649.5) 5845.09,5667.27 5812.73,5667.27 5800,5680 5800,5979.17 ; v2(5901.62,5979.17) 5800,5979.17 ; 5348,5791 5348,5972 5366.87,5990.87 5744.11,5990.87 5755.81,5979.17 5800,5979.17
VREFA: R21.2 U14A.3 U14A.5 U15A.3 U15A.5 | length 2245
  Top Layer w10: R21.2@4914,6113.13 4916.13,6111 v2(5066,6111) 5105,6072 6037,6072 v1(6040,6075)
  Bottom Layer w10: U14A.3@5051.72,5673 5113.14,5673 5119,5678.86 5119,5773 ; U14A.5@5051.72,5773 5119,5773 ; v2(5066,6111) 5066,5919 5119,5866 5119,5773 ; U15A.5@5985.28,5675 5968.55,5675 5940,5703.55 5940,5762.5 5964,5786.5 6031.65,5786.5 6031.65,6059.32 6040,6067.67 v1(6040,6075)
VREFB: R24.2 U14B.3 U14B.5 U15B.3 U15B.5 | length 2815.6
  Top Layer w10: R24.2@4804,6113.13 v2(4804,6155)
  Bottom Layer w10: v2(4804,6155) 4806.16,6152.84 5444.69,6152.84 ; U14B.3@5425.72,5673 5466,5673 5485,5692 5485,5763 5475,5773 ; U14B.5@5425.72,5773 5475,5773 ; U15B.5@6348,5676 6346.68,5677.32 6314.68,5677.32 6299,5693 6299,5761 6313.68,5775.68 6347.68,5775.68 U15B.3@6348,5776 6383,5776 6438,5831 6438,6035 6320.16,6152.84 5444.69,6152.84 ; 5444.69,6152.84 5444.69,6111.31 5445,6111 5445,5954.84 5475,5924.84 5475,5773
pads on no net: CON5. CON6.4 CON8.4 J1.7 J1.8 J2.7 J2.MH1 J2.MH2 J2.SH1 J2.SH2 T1.2 T1.4 T1.5 T1.7 T1.10 T1.12 T1.13 T1.15 T2.2 T2.4 T2.5 T2.7 T2.10 T2.12 T2.13 T2.15 U5.4 U5.13 U5.14 U5.15 U7.4 U7.13 U7.14 U7.15 U8.42 U14A.1 U14A.7 U14B.1 U14B.7 U15A.1 U15A.7 U15B.1 U15B.7 U16.35 U16.36 U16.50 U16.51 U16.58 U16.62 U16.73 U16.74 U16.75 U16.76 U16.77 U16.93 U16.94 U16.97 U16.98 U16.99 U16.101 U16.102 U16.104 U16.108 U16.109 U16.129 U16.133 U17.2 U17.7 U17.8 U17.9 U17.22 U17.24 U17.26 U17.37 U17.40 U17.46 U17.47 U17.48 U17.49 U17.54 U17.56 U17.57 U17.68 U17.77 U17.79 U17.80 U17.81 U17.82 U17.87 U17.88 U17.89 U17.90 U17.92 U17.99 U17.100 U17.102 U17.128 U17.132 U21.1 U21.10 U21.11 U21.12 U21.15 U21.16 U21.18 U21.19 U21.22 U21.23 U21.24 U22.4 U23.5 U25.4 U26.4 U27.4 U28.1 U28.4 U29.6 U34.4 U34.5 U38.2 U38.3 U38.4 U38.6 U38.8 U40.6 U41.4

## Polygon pours and split planes (outlines as drawn)
5V on Top Layer "NONET_L01_P007" (solid, shelved, pour order 7): 4695,7160 9030,7160 9030,2040 4695,2040
no net on Top Layer "NONET_L01_P000" (solid, shelved, pour order 0): 1162,6005
SH_SPI on Int3 (Sign) "NONET_L04_P020" (solid, shelved, pour order 20): 8190,3645 8855,3645 8855,2384 8190,2384
SH_GND_INV_1 on Int3 (Sign) "NONET_L04_P019" (solid, shelved, pour order 19): 8180,5222 8870,5222 8870,4012 8180,4012
SH_GND_INV_2 on Int3 (Sign) "NONET_L04_P017" (solid, shelved, pour order 17): 8865,6800 8865,5595 8180,5595 8180,6800
no net on Int3 (Sign) "NONET_L04_P011" (solid, shelved, pour order 11): 1010,5165
+12V on Int3 (Sign) "NONET_L04_P010" (solid, shelved, pour order 10): 4695,6810 6295,6810 6295,6147.53 4702.47,6147.53 4695,6155
SH_ENC on Int3 (Sign) "NONET_L04_P004" (solid, shelved, pour order 4): 6655,7160 6655,6385 7880,6385 7880,7160
+12V on Int3 (Sign) "NONET_L04_P003" (solid, shelved, pour order 3): 5055,7160 6255,7160 6255,6160 5055,6160
1.8V on Int4 (PWR) "NONET_L05_P013" (solid, shelved, pour order 13): 4695,6130 6340,6130 6340,7160 9030,7160 9030,2040 4695,2040
-12V on Int4 (PWR) "NONET_L05_P009" (solid, shelved, pour order 9): 4695,6810 6295,6810 6295,6147.53 4702.47,6147.53 4695,6155
GND on Int1 (GND) "NONET_L02_P006" (solid, shelved, pour order 6): 4695,7160 9030,7160 9030,2040 4695,2040
3.3V on Bottom Layer "NONET_L06_P014" (solid, shelved, pour order 14): 4695,2040 4695,7160 9030,7160 9030,2040
SH_AGND on Int2 (Sign) "NONET_L03_P021" (solid, shelved, pour order 21): 4963.71,6170 4963.71,6735 6375,6735 6375,6170

## Silkscreen, mask and mechanical layers (free items; w line width, h text height)
Top Overlay:
  lines w9.84: 4702,5838 5071,5838 5071,5292 ; 4705,4331 5223,4331 5223,5292 5071,5292 ; 5041,5292 5071,5292 ; 6499.72,2372.48 6499.72,2621 6499.72,2688 6627.72,2688 8080.28,2688 8080.28,2374.48 ; 6895.57,2372.48 6895.57,2686 ; 7289.28,2372.48 7289.28,2686 ; 7685.28,2372.48 7685.28,2686 ; 6400,5646 7005.87,5646 7005.87,6022 6400,6022 6400,5646 ; 6539,2738 6539,3249 7447,3249 7447,2738 6539,2738
  lines w10: 3021,410 9029,410 9029,7160 ; 3021,411 3021,7160 9021,7160 ; 6579.71,2921 6680.29,2921 ; 6830,2762 6830,3023.37 ; 6891.34,5678 6949.87,5678 6949.87,5815.5 ; 6934.87,5800.5 6949.87,5815.5 ; 6964.87,5800.5 6949.87,5815.5 ; 6990.68,2760.63 6990.68,3022 ; 7147.72,2759.63 7147.72,3021
  lines w13.78: 7309,5572 7633.83,5572 7633.83,5874 7309,5874 7309,5572
  text "X" at 3204,7009 h100 r90
  text "1:top 2:bottom" at 7191,6439 h39.37 r180
  text "Encoder" at 7878,6331 h47.24 r180
  text "3:top 4:bottom" at 8219,6277 h39.37 r90
  text "VENC2" at 7019.54,6218.16 h39.37 r180
  text "VENC1" at 7001.39,6122.9 h39.37 r180
  text "Analog Inputs" at 6401.26,6004 h47.24 r90
  text "FPGA  DONE" at 6537,5665 h39.37 r90
  text "3.3V PWR" at 6891.34,5661.21 h39.37 r90
  text "Power Stack" at 8115,5659 h47.24 r90
  text "uAMDC" at 7391,5607 h51.18 r90
  text "Severson Group" at 7607,5587 h59.06 r90
  text "RESET" at 5050,5504 h39.37 r90
  text "X" at 3204,5284 h100 r90
  text "RGB1" at 7660,5130 h39.37 r90
  text "RGB2" at 7660,4746.02 h39.37 r90
  text "Lattice FPGA" at 6269,4715 h47.24 r90
  text "1:top 2:bottom" at 8227,4692 h39.37 r90
  text "UART" at 4933,4593 h59.06 r180
  text "RGB3" at 7662,4354.19 h39.37 r90
  text "3.RX" at 4933,4353 h39.37 r90
  text "2.TX" at 4850,4351 h39.37 r90
  text "4.SUS" at 5021,4351 h39.37 r90
  text "Power Stack" at 8105,4055 h47.24 r90
  text "RGB4" at 7665,3995 h39.37 r90
  text "3V3" at 8249,3904 h40 r180
  text "5V" at 8028,3902 h40 r180
  text "USB" at 4869,3855 h59.06 r180
  text "PSVDD" at 7930,3835 h40 r180
  text "STM DSP" at 6266.64,3815.15 h47.24 r90
  text "GPIO" at 8527,3694 h47.24 r180
  text "Power Stack Status Direction" at 7324,3239 h40 r180
  text "B" at 7099,3103 h50 r180
  text "C" at 6942,3099 h50 r180
  text "D" at 6783,3097 h50 r180
  text "A" at 7261,3095 h50 r180
  text "Ethernet" at 5120.75,3072.81 h50 r180
  text "IN" at 6678.29,3012 h47.24 r180
  text "OUT" at 6699.29,2898 h47.24 r180
  text "24V" at 6784,2668 h59.06 r180
  text "X" at 3204,2659 h100 r90
  text "5V - 18V" at 7623,2652 h39.37 r180
  text "MAX 2A!" at 8001,2648 h39.37 r180
  text "ESTOP" at 7218,2596 h59.06 r180
  text "VDRIVE" at 7586,2573 h39.37 r180
  text "VINPS" at 7974,2570 h39.37 r180
  text "VIN" at 6758,2569 h39.37 r180
  text "+ -" at 6766,2506 h39.37 r180
  text "+ -" at 7541,2505 h39.37 r180
  text "+ -" at 7941.68,2497.43 h39.37 r180
  text "SWD Debug" at 8630,2378.88 h39.37 r180
  text "5.5V" at 6165,2375 h39.37 r180
  text "+15V" at 6165,2245 h39.37 r180
  text "-15V" at 6171,2136 h39.37 r180
  text "X" at 3204,609 h100 r90
  text "X" at 5529,609 h100 r90
  text "X" at 8854,609 h100 r90
Mechanical 1:
  lines w1: 1165,880 5500,880 5500,6000 1165,6000 1165,880